# Altium PCB IM.PcbDoc
Units mil, origin at the board's own origin, x right, y up, seen from the top; angles counter-clockwise.
Board outline 2530 x 1530 mil, 4 copper layers (Top Layer, Signal Layer1, GND Layer, Bottom Layer), stack 30.634 mil thick; 48 components, 97 nets, 336 pads, 98 vias.
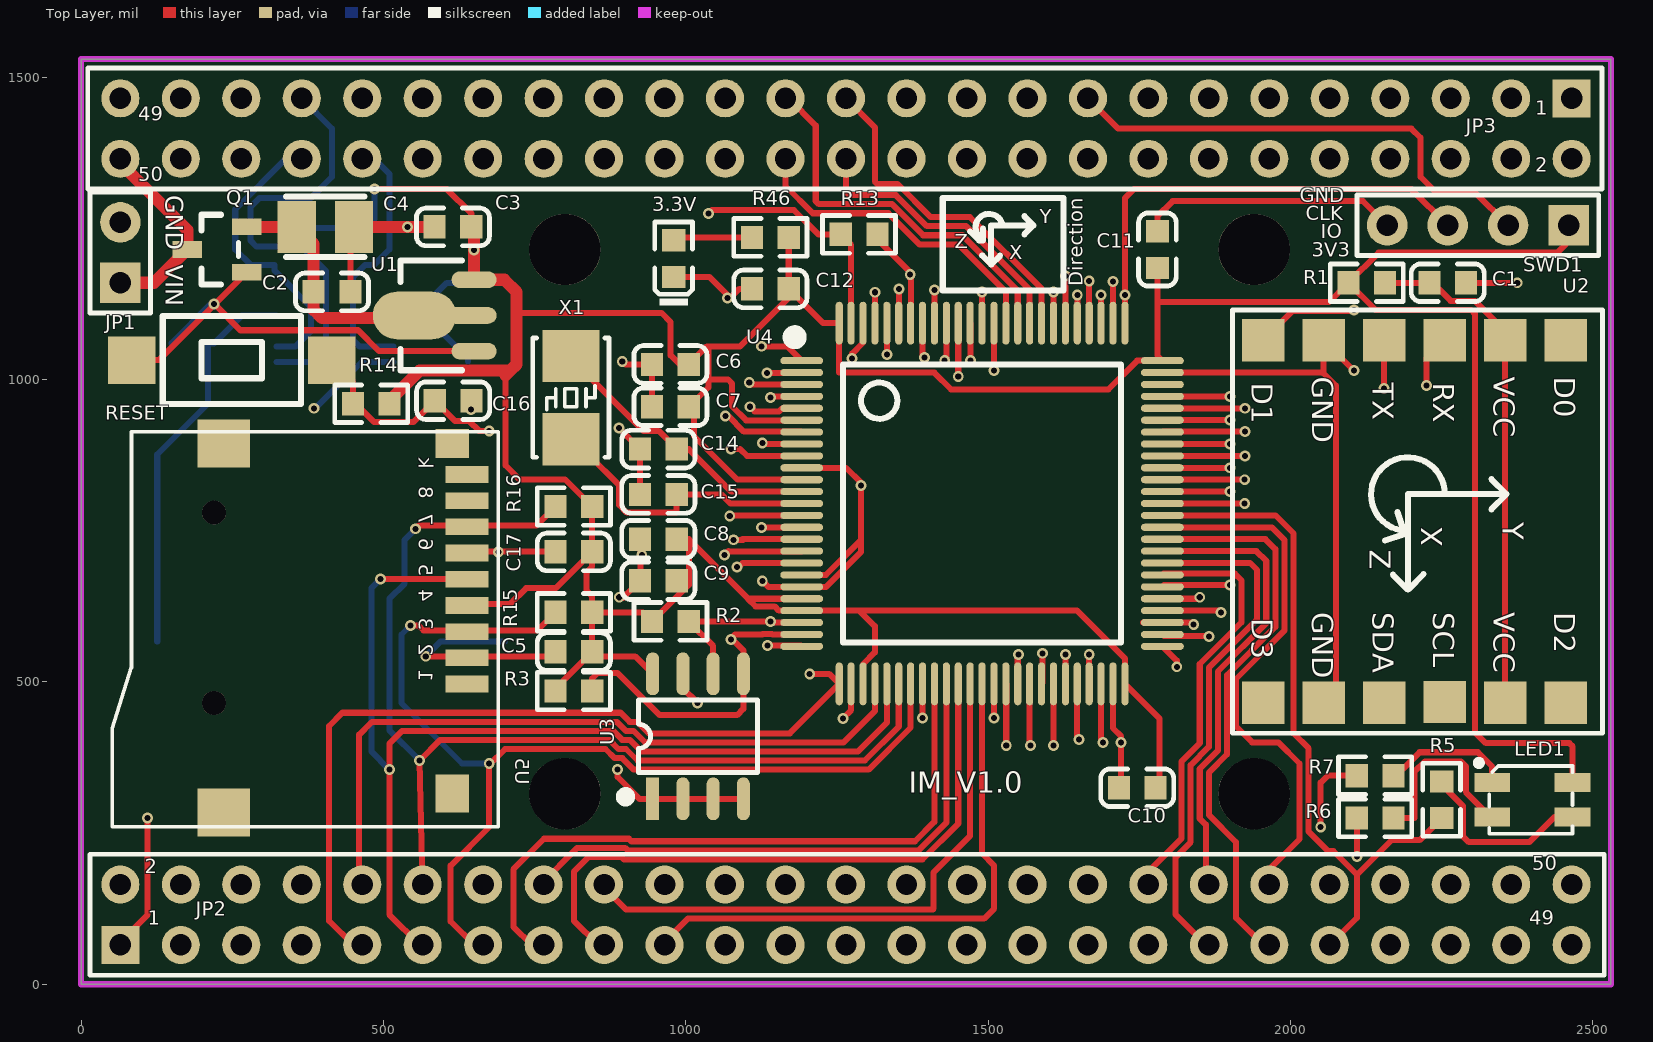
[diagram p0: Top Layer view]
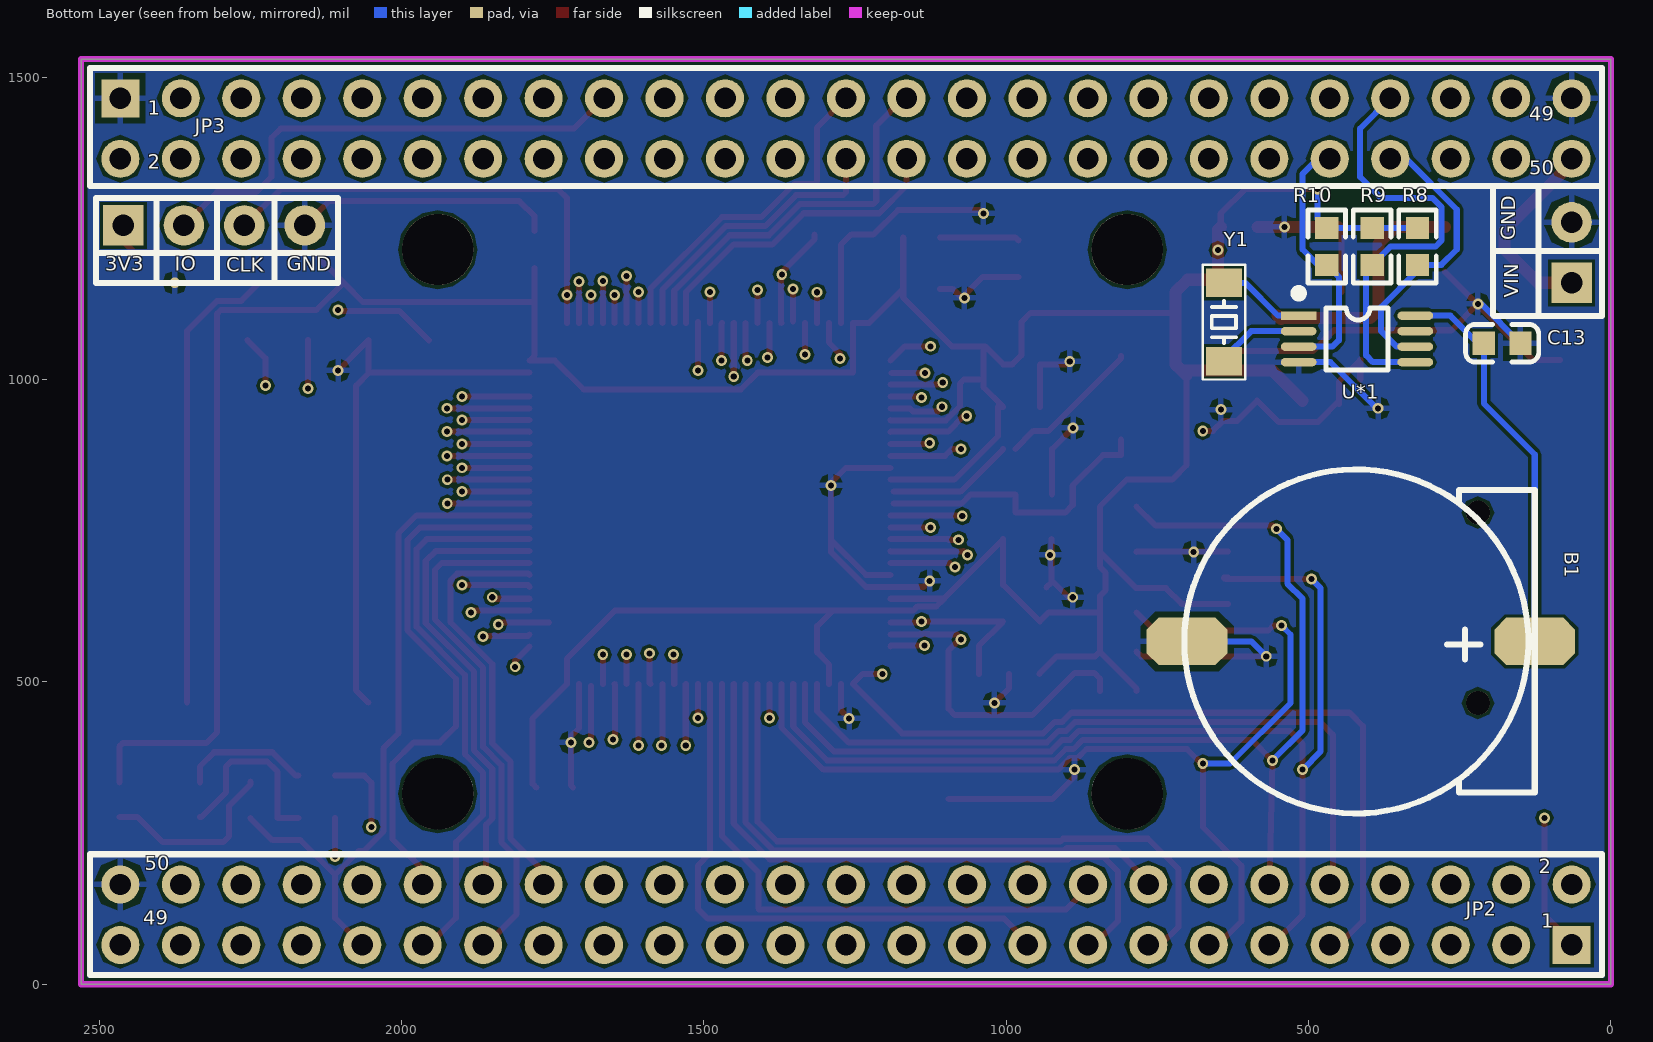
[diagram p1: Bottom Layer view, seen from below]
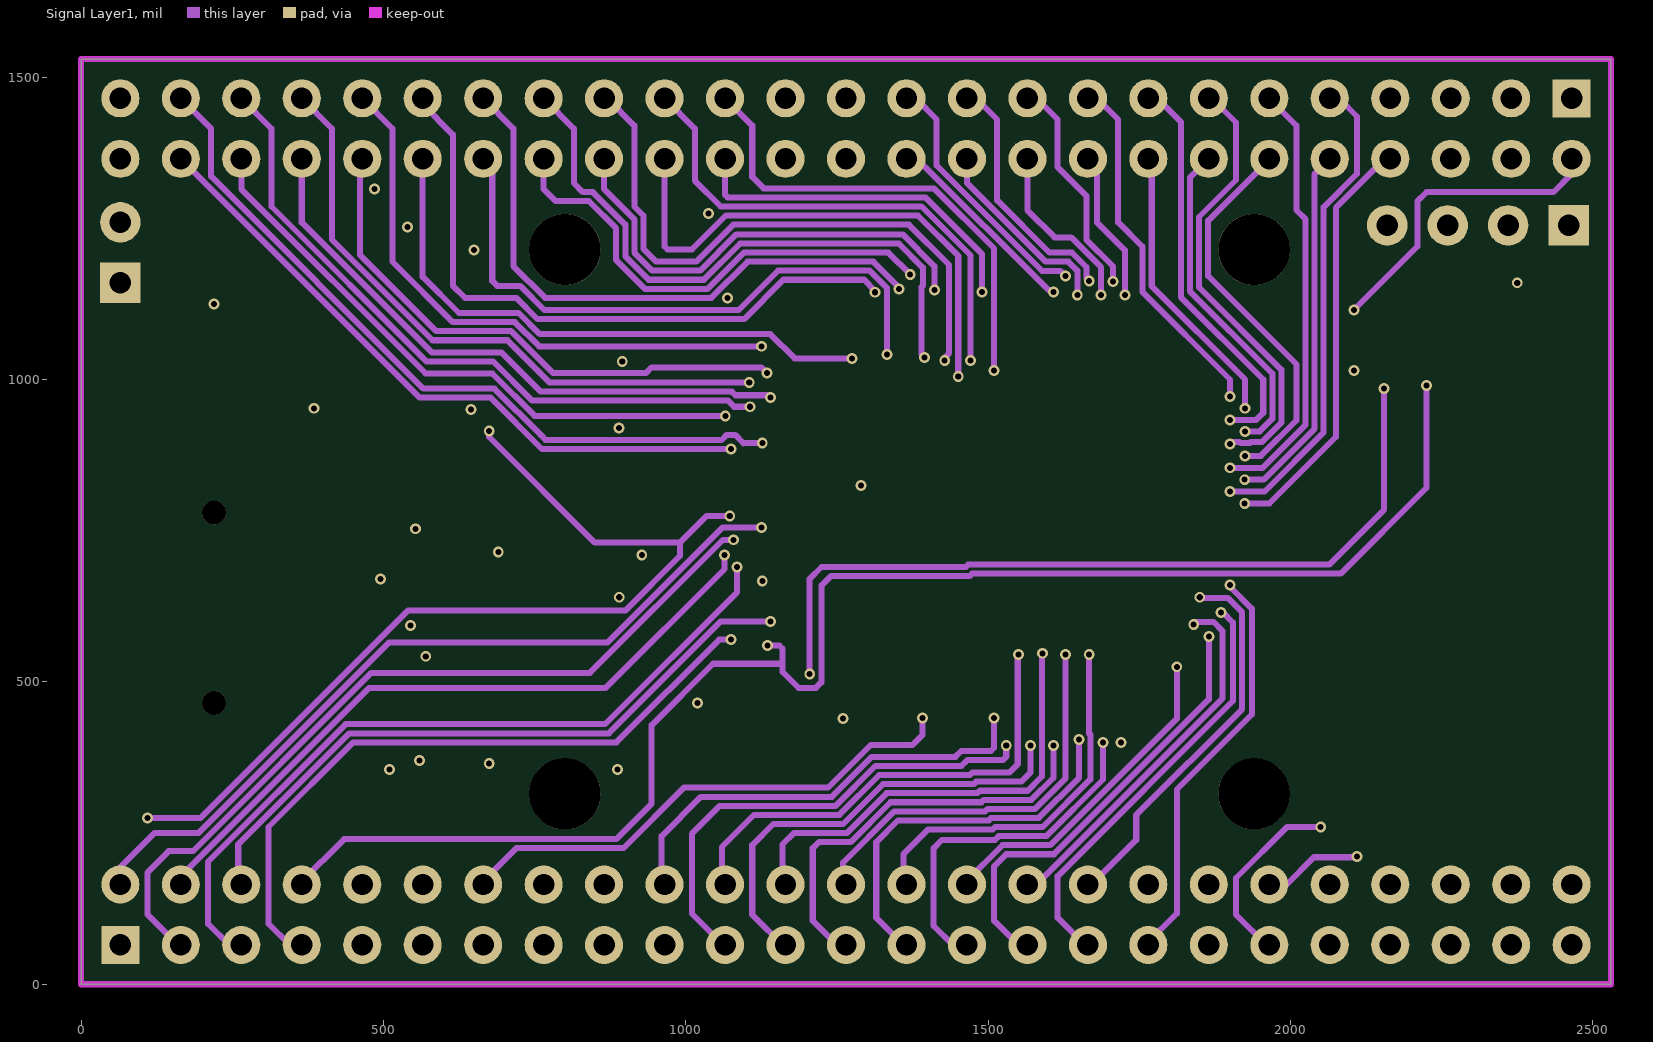
[diagram p2: Signal Layer1]
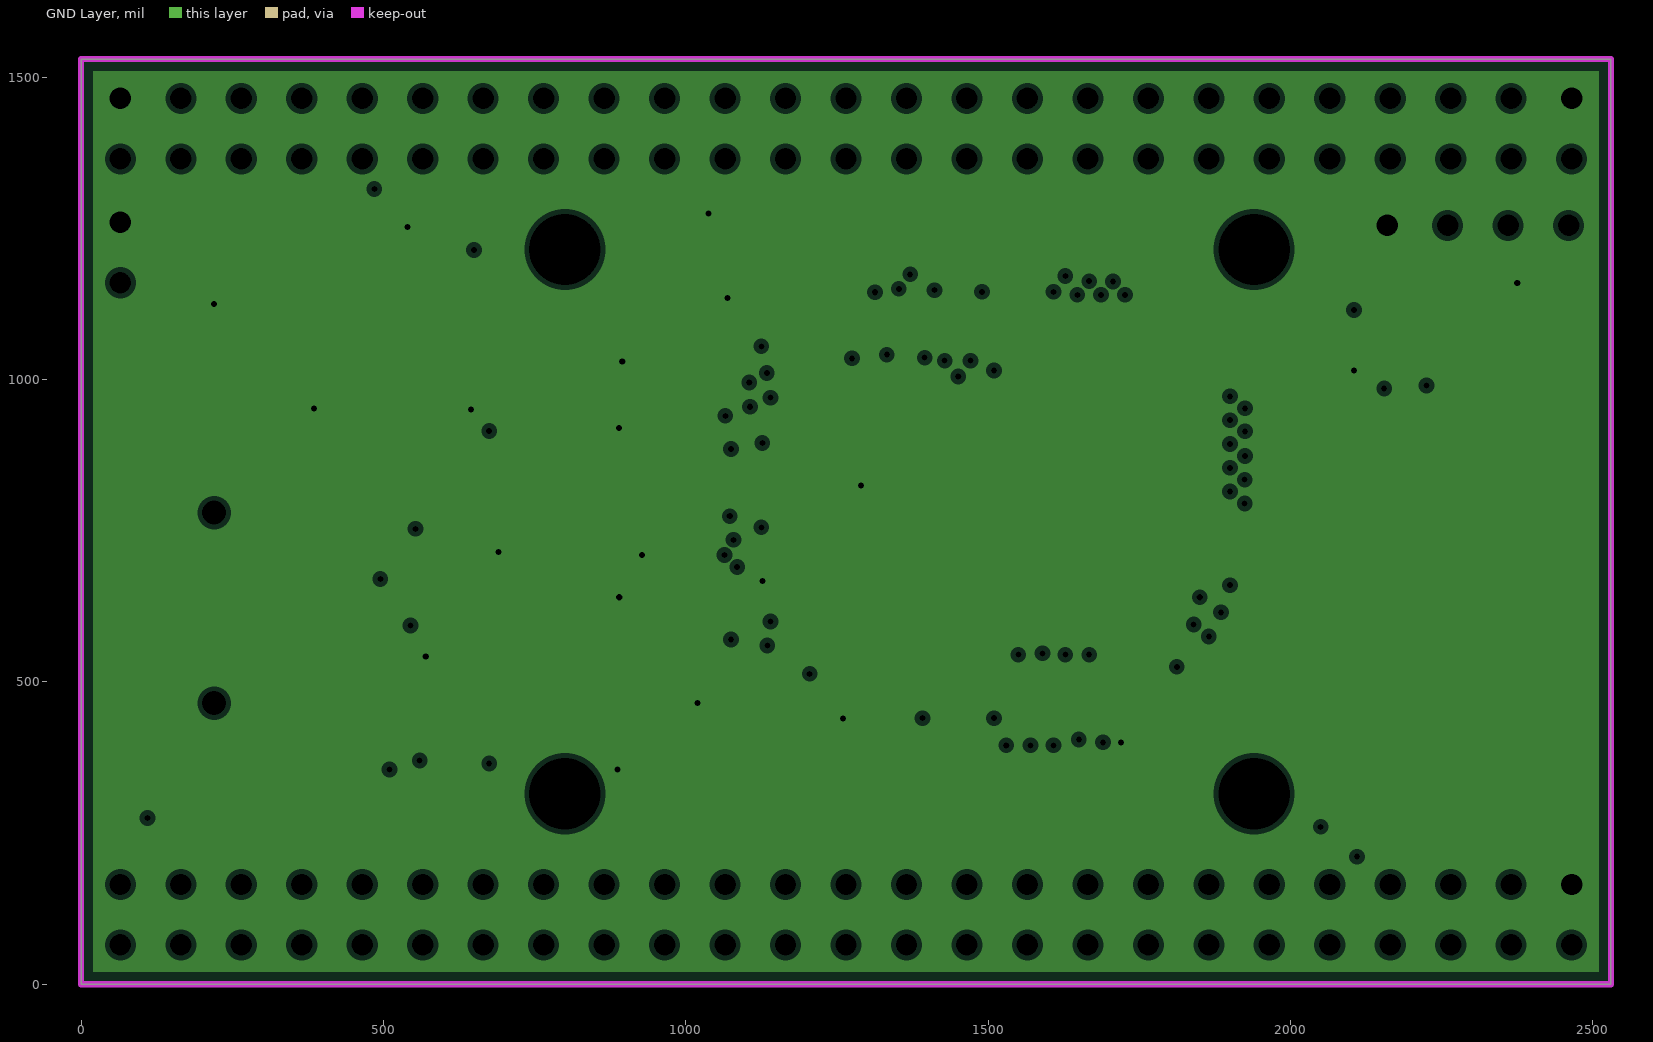
[diagram p3: GND Layer, clearances drawn from the general rule]

## Layer stack, top to bottom
Top Solder: solder mask 0.4, Solder Resist, Dk 3.5
Top Layer: signal copper 1.4
Dielectric 1: core 10, FR-4, Dk 4.2
Signal Layer1: signal copper 1.417
Dielectric 6: prepreg 5, Dk 4.2
GND Layer: plane copper 1.417, net GND
Dielectric 4: core 10, Dk 4.2
Bottom Layer: signal copper 1.4
Bottom Solder: solder mask 0.4, Solder Resist, Dk 3.5

## Board outline
0,0 0,110 0,1530 2530,1530 2530,0
cut-out: 5635,1990

## Design rules (kind name [scope] priority, off if disabled: settings)
Clearance [All] p1: gap=5 ignorepadtopadclearanceinfootprint=FALSE
ComponentClearance [All] p1: gap=0 collisioncheckmode=3 verticalgap=0 showdistances=FALSE
DiffPairsRouting [All] p1: maxlimit=10 minlimit=10 mostfreqgap=10 toplayer_minwidth=10 toplayer_maxwidth=15 toplayer_prefwidth=15 midlayer1_minwidth=10 midlayer1_maxwidth=15 midlayer1_prefwidth=15 bottomlayer_minwidth=10 bottomlayer_maxwidth=15 bottomlayer_prefwidth=15 maxuncoupledlength=500
HoleSize [All] p1: absolutevalues=TRUE maxlimit=200 minlimit=1 maxpercent=80.000 minpercent=20.000
MinimumSolderMaskSliver [All] p1: minsoldermaskwidth=2
PlaneClearance [All] p1: clearance=8
PlaneConnect [All] p1: planeconnectstyle=Direct reliefexpansion=20 reliefentries=4 reliefconductorwidth=10 reliefairgap=10
PolygonConnect [All] p1: connectstyle=Relief reliefconductorwidth=10 reliefentries=4 polygonreliefangle="90 Angle" airgapwidth=10
RoutingVias [All] p1: holewidth=28 width=50 viastyle="Through Hole" minholewidth=10 minwidth=15 maxholewidth=28 maxwidth=50
SilkToSilkClearance [All] p1: silktosilkclearance=0
SilkToSolderMaskClearance [IsPad] p1: minsilkscreentomaskgap=0 clearancetoexposedcopper=TRUE
SolderMaskExpansion [All] p1: expansion=4
Width [All] p1: maxlimit=50 minlimit=3.5 preferedwidth=10
22 further rules are at their usual default settings.

## Components (designator, comment, footprint, x,y, rotation, side; value= is the part's Value field where it differs from the comment)
3.3V "绿灯 0603" 0603_LED 980,1200 r90 top
B1 "BAT" BAT 430,570 r270 bottom
C1 "0.1u" 0603_C 2260,1160 r0 top
C2 "0.1u" 0603_C 415,1145 r180 top
C3 "0.1u" 0603_C 615,1252.4 r0 top
C4 "10u/25v" SMD-3225-2P 395,1250.32 r0 top
C5 "0.1u" 0603_C 815,550 r0 top
C6 "0.1u" 0603_C 974.68,1025 r0 top
C7 "0.1u" 0603_C 974.68,955 r0 top
C8 "0.1u" 0603_C 954.68,735.94 r0 top
C9 "0.1u" 0603_C 954.68,667.16 r0 top
C10 "0.1u" 0603_C 1746.59,325 r0 top
C11 "0.1u" 0603_C 1780,1215 r270 top
C12 "0.1u" 0603_C 1140,1150 r180 top
C13 "0.1u" 0603_C 180,1060 r180 bottom
C14 "22P" 0603_C 954.68,885 r180 top
C15 "22P" 0603_C 954.68,810 r180 top
C16 "100nF (104) 10% 50V" 0603_C 615.32,965 r180 top
C17 "0.1uF" 0603_C 815,715 r180 top
JP1 "HDR-1X2" HDR2.54-LI-2P 65,1210 r90 top
JP2 "Header 2X25" HDR2.54-LI-2X25P 1173,109 r0 top
JP3 "Header 2X25" HDR2.54-LI-2X25P 1357,1421 r180 top
LED1 "67-23/R6GHBHC-B05/2T" "LED 3528-4Pin" 2400,305 r0 top
Q1 "AO3401A P道沟" SOT-23(SOT-23-3) 225,1215 r0 top
R1 "0Ω (0R0) ±1%" 0603_R 2126.1,1160 r180 top
R2 "4.7K" 0603_R 974.68,600 r0 top
R3 "4.7K" 0603_R 815,485 r0 top
R5 "1KΩ" 0603_R 2250,305 r90 top
R6 "1KΩ" 0603_R 2140,275 r0 top
R7 "1KΩ" 0603_R 2140,345 r0 top
R8 "4.7K" 0603_R 320,1220 r90 bottom
R9 "4.7K" 0603_R 395,1220 r90 bottom
R10 "4.7K" 0603_R 470,1220 r90 bottom
R13 "10KΩ (1002) ±1%" 0603_R 1286.57,1240 r180 top
R14 "10KΩ (1002) ±1%" 0603_R 480,960 r0 top
R15 "4.7K" 0603_R 815,615 r180 top
R16 "4.7K" 0603_R 815,790 r180 top
R46 "1kΩ" 0603_R 1140,1235 r180 top
RESET "KEY" key-2 255,1030 r180 top
SWD1 "SWD" HDR2.54-LI-4P 2310,1255 r180 top
U1 "HT7533/ME6210A33PG" SOT-89(SOT-89-3) 650,1105.94 r0 top
U2 "JY901" JY-901 1955.37,1065.63 r270 top
U3 "AT24C02" SOP8_N 1020.32,410 r90 top value=EEPROM
U4 "STM32F103VCT6" "LQFP100 14x14_N" 1490,795 r270 top
U5 "SDCard" TF-Micro 220,622.52 r270 top
U*1 "Timer" MSOP8_M 420,1067.17 r270 bottom
X1 "8.000M" "OSC 5032-2P" 810,970 r90 top
Y1 "无源晶振" "OSC 3215-2P" 640,1095 r90 bottom value=32.768k

## Footprints (in the part's own frame and the unit in brackets; to place one, negate y for a bottom-side part, rotate by r counter-clockwise, add the part's x,y. Pads: shape width x height; smd on the part's side, far side on the other; paste and mask are expansions set on the pad)
0603_C [mm]
  rect 0.93x0.98 smd: 1(-0.77,0) 2(0.77,0)
  silkscreen extent -1.53,-0.79 1.54,0.79, body extent -0.8,-0.41 0.8,0.41, height 0.81
0603_LED [mm]
  rect 0.93x0.98 smd: A(0.77,0) K(-0.77,0)
  silkscreen extent -1.98,-0.79 1.54,0.79, body extent -0.8,-0.4 0.8,0.4, height 0.47
0603_R [mm]
  rect 0.93x0.98 smd: 1(-0.77,0) 2(0.77,0)
  silkscreen extent -1.53,-0.79 1.54,0.79, body extent -0.85,-0.4 0.85,0.4, height 0.56
BAT [mil] "CR1220"
  oct 78.74x133.86 smd: 1(3,304) 2(3,-271)
  silkscreen extent -282,-276 288,304
HDR2.54-LI-2P [mm] "排针，2脚"
  rect 1.7x1.7 hole 0.9: 1(-1.27,0)
  round 1.7 hole 0.9: 2(1.27,0)
  silkscreen extent -2.54,-1.27 2.54,1.27, body extent -2.54,-1.27 2.54,1.27, height 8.5
HDR2.54-LI-2X25P [mm]
  rect 1.6x1.6 hole 0.9: 1(-28.143,-1.118)
  round 1.6 hole 0.9: 2(-28.143,1.422) 3(-25.603,-1.118) 4(-25.603,1.422) 5(-23.063,-1.118) 6(-23.063,1.422) 7(-20.523,-1.118) 8(-20.523,1.422) 9(-17.983,-1.118) 10(-17.983,1.422) 11(-15.443,-1.118) 12(-15.443,1.422) 13(-12.903,-1.118) 14(-12.903,1.422) 15(-10.363,-1.118) 16(-10.363,1.422) 17(-7.823,-1.118) 18(-7.823,1.422) 19(-5.283,-1.118) 20(-5.283,1.422) 21(-2.743,-1.118) 22(-2.743,1.422) 23(-0.203,-1.118) 24(-0.203,1.422) 25(2.337,-1.118) 26(2.337,1.422) 27(4.877,-1.118) 28(4.877,1.422) 29(7.417,-1.118) 30(7.417,1.422) 31(9.957,-1.118) 32(9.957,1.422) 33(12.497,-1.118) 34(12.497,1.422) 35(15.037,-1.118) 36(15.037,1.422) 37(17.577,-1.118) 38(17.577,1.422) 39(20.117,-1.118) 40(20.117,1.422) 41(22.657,-1.118) 42(22.657,1.422) 43(25.197,-1.118) 44(25.197,1.422) 45(27.737,-1.118) 46(27.737,1.422) 47(30.277,-1.118) 48(30.277,1.422) 49(32.817,-1.118) 50(32.817,1.422)
  silkscreen extent -29.41,-2.39 34.19,2.69, body extent -29.41,-2.39 34.09,2.69, height 8.5
HDR2.54-LI-4P [mm] "排针，4脚"
  rect 1.7x1.7 hole 0.9: 1(-3.81,0)
  round 1.7 hole 0.9: 2(-1.27,0) 3(1.27,0) 4(3.81,0)
  silkscreen extent -5.08,-1.27 5.08,1.27, body extent -5.08,-1.27 5.08,1.27, height 8.5
JY-901 [mil]
  rect 70x70 smd: 1(0.63,499.63) 2(0.63,399.63) 3(0.63,299.63) 4(0.63,199.63) 5(0.63,99.63) 6(0.63,-0.37) 7(600,499.63) 8(600,399.63) 9(599,299.63) 10(600,199.63) 11(600,99.63) 12(600,-0.37)
  silkscreen extent -49,-51 651,561
key-2 [mm]
  rect 2x2 smd: 1(-4.055,-0.055) 2(4.345,-0.055)
  silkscreen extent -2.75,-1.91 3.05,1.79
"LED 3528-4Pin" [mm] "4脚，3528LED"
  rect 1.5x0.8 smd: 1(-1.689,0.725) 2(-1.689,-0.725) 3(1.689,-0.725) 4(1.689,0.725)
  silkscreen extent -2.37,-1.42 1.69,1.68, body extent -1.75,-1.4 1.75,1.4, height 1.95
"LQFP100 14x14_N" [mm] "100脚，体宽14x14mm，脚距0.5mm"
  oval 0.3x1.8 smd: 1(-6,-7.575) 2(-5.5,-7.575) 3(-5,-7.575) 4(-4.5,-7.575) 5(-4,-7.575) 6(-3.5,-7.575) 7(-3,-7.575) 8(-2.5,-7.575) 9(-2,-7.575) 10(-1.5,-7.575) 11(-1,-7.575) 12(-0.5,-7.575) 13(0,-7.575) 14(0.5,-7.575) 15(1,-7.575) 16(1.5,-7.575) 17(2,-7.575) 18(2.5,-7.575) 19(3,-7.575) 20(3.5,-7.575) 21(4,-7.575) 22(4.5,-7.575) 23(5,-7.575) 24(5.5,-7.575) 25(6,-7.575) 51(6,7.575) 52(5.5,7.575) 53(5,7.575) 54(4.5,7.575) 55(4,7.575) 56(3.5,7.575) 57(3,7.575) 58(2.5,7.575) 59(2,7.575) 60(1.5,7.575) 61(1,7.575) 62(0.5,7.575) 63(0,7.575) 64(-0.5,7.575) 65(-1,7.575) 66(-1.5,7.575) 67(-2,7.575) 68(-2.5,7.575) 69(-3,7.575) 70(-3.5,7.575) 71(-4,7.575) 72(-4.5,7.575) 73(-5,7.575) 74(-5.5,7.575) 75(-6,7.575)
  oval 1.8x0.3 smd: 26(7.576,-6) 27(7.576,-5.5) 28(7.576,-5) 29(7.576,-4.5) 30(7.576,-4) 31(7.576,-3.5) 32(7.576,-3) 33(7.576,-2.5) 34(7.576,-2) 35(7.576,-1.5) 36(7.576,-1) 37(7.576,-0.5) 38(7.576,0) 39(7.576,0.5) 40(7.576,1) 41(7.576,1.5) 42(7.576,2) 43(7.576,2.5) 44(7.576,3) 45(7.576,3.5) 46(7.576,4) 47(7.576,4.5) 48(7.576,5) 49(7.576,5.5) 50(7.576,6) 76(-7.575,6) 77(-7.575,5.5) 78(-7.575,5) 79(-7.575,4.5) 80(-7.575,4) 81(-7.575,3.5) 82(-7.575,3) 83(-7.575,2.5) 84(-7.575,2) 85(-7.575,1.5) 86(-7.575,1) 87(-7.575,0.5) 88(-7.575,0) 89(-7.575,-0.5) 90(-7.575,-1) 91(-7.575,-1.5) 92(-7.575,-2) 93(-7.575,-2.5) 94(-7.575,-3) 95(-7.575,-3.5) 96(-7.575,-4) 97(-7.575,-4.5) 98(-7.575,-5) 99(-7.575,-5.5) 100(-7.575,-6)
  silkscreen extent -7.23,-8.12 5.84,5.84, body extent -8,-8 8,8, height 1.45
MSOP8_M [mm] "塑封体长3mm，宽3mm，脚距0.65"
  rect 0.35x1.5 smd: 1(-0.975,-2.45)
  oval 0.35x1.5 smd: 2(-0.325,-2.45) 3(0.325,-2.45) 4(0.975,-2.45) 5(0.975,2.45) 6(0.325,2.45) 7(-0.325,2.45) 8(-0.975,2.45)
  silkscreen extent -2.07,-2.6 1.3,1.3, body extent -1.5,-2.45 1.5,2.45, height 0.95
"OSC 3215-2P" [mm] "3.2*1.5*0.6mm(长宽高)"
  rect 1.2x1.5 smd: 1(-1.65,0) 2(1.65,0)
  silkscreen extent -2.41,-0.89 2.41,0.89, body extent -1.6,-0.75 1.6,0.75, height 0.61
"OSC 5032-2P" [mm] "5mm*3.2mm*0.8mm(长*宽*高)"
  rect 2.2x2.4 smd: 1(-1.75,0) 2(1.75,0)
  silkscreen extent -2.5,-1.6 2.5,1.6, body extent -2.5,-1.6 2.5,1.6, height 0.86
SMD-3225-2P [mm]
  rect 1.6x2.2 smd: 1(-0.971,0.051) 2(1.429,0.051)
  silkscreen extent -1.42,-1.22 1.88,1.32
SOP8_N [mm] "5*6*1.8mm（长宽高）"
  rect 1.8x0.55 smd: 1(-2.625,1.905)
  oval 1.8x0.55 smd: 2(-2.625,0.635) 3(-2.625,-0.635) 4(-2.625,-1.905) 5(2.625,-1.905) 6(2.625,-0.635) 7(2.625,0.635) 8(2.625,1.905)
  silkscreen extent -2.69,-2.5 1.52,3.2, body extent -3,-2.5 3,2.5, height 1.9
SOT-23(SOT-23-3) [mm]
  rect 1.25x0.7 smd: 1(1.25,-0.95) 2(1.25,0.95) 3(-1.25,0)
  silkscreen extent -0.65,-1.46 0.9,1.46, body extent -1.5,-1.5 1.5,1.5, height 1.3
SOT-89(SOT-89-3) [mm]
  oval 1.9x0.7 smd: 1(0,-1.5) 3(0,1.5)
  oval 3.5x2 smd: 2(-2.5,0)
  oval 2.1x0.7 smd: 2(-0.1,0)
  silkscreen extent -3.1,-2.3 -0.5,2.3, body extent -3.75,-2.25 0.55,2.25, height 1.51
TF-Micro [mm]
  round 1 hole 1 unplated: 0(-4,0) 0(4,0)
  rect 0.7x1.8 smd: 1(3.2,10.627) 2(2.1,10.627) 3(1,10.627) 4(-0.1,10.627) 5(-1.2,10.627) 6(-2.3,10.627) 7(-3.4,10.627) 8(-4.5,10.627) 9(-5.6,10.627)
  rect 2.032x2.2 smd: 10(-6.9,0.4) 10(8.6,0.4)
  rect 1.2x1.4 smd: 10(-6.9,10)
  rect 1.6x1.4 smd: 10(7.8,10)
  silkscreen extent -7.4,-4.28 9.2,11.94, body extent -7.06,-3.91 8.94,11.34, height 1.85

## Part data
3.3V: library part "0603 LED", "贴片LED", Package=0603, SuppliersPartNumber=C2286, ComponentLink1Description=¹©Ó, ComponentLink1URL=http://www.szlcsc.com/product/details_2659.html, Supplier=LC
C1 C2 C3 C5 C6 C7 C8 C9 C10 C11 C12 C13 C14 C15 C17: library part CAP0805
C4: library part CAP[B]
C16: library part "0603 100nF (104) 10% 50V", "贴片电容", Package=0603, SuppliersPartNumber=C14663, ComponentLink1Description=供应, ComponentLink1URL=http://www.szlcsc.com/product/details_15331.html, Supplier=LC
JP1: library part "Header 2 Pitch2.54", "2P接插件", BOM名称=2P, 学习资源=www.oooc
JP2 JP3: library part "Header 25X2 Pitch2.54", "25*2P接插件", BOM名称=20*2P, 学习资源=www.oooc
LED1: library part LED-RGB-3528, "三基色LED", BOM名称=三, 学习资源=www.oooc
Q1: library part "AO3401A P道沟 X13A15 SOT-23", "MOS(场效应管)", Package=SOT-23, SuppliersPartNumber=C15127, ComponentLink1Description=供应, ComponentLink1URL=http://www.szlcsc.com/product/details_15801.html, Supplier=LC
R1 R46: library part "0603 0Ω (0R0) 1%", "贴片电阻", Package=0603, SuppliersPartNumber=C21189, ComponentLink1Description=供应, ComponentLink1URL=http://www.szlcsc.com/product/details_21903.html, Supplier=LC
R2 R3 R8 R9 R10 R15 R16: library part RES0805
R5 R6 R7: library part "0603 2.2KΩ (2201) 1%", "贴片电阻", Package=0603, SuppliersPartNumber=C4190, ComponentLink1Description=供应, ComponentLink1URL=http://www.szlcsc.com/product/details_4597.html, Supplier=LC
R13 R14: library part "0603 10KΩ (1002) 1%", "贴片电阻", Package=0603, SuppliersPartNumber=C25804, ComponentLink1Description=供应, ComponentLink1URL=http://www.szlcsc.com/product/details_26547.html, Supplier=LC
RESET: library part KEY_2, "Switch", LatestRevisionDate=17-Jul-2002, LatestRevisionNote="Re-released for DXP Platform.", PackageReference=SPST-2, Published=24-Mar-1999, Publisher="Altium Limited"
U1: library part "SOT-89 HT7533/ME6210A33PG", "低压差线性稳压(LDO)", BOM_LCSC Assembly=Yes, BOM_Manufacturer=HOLTEK, BOM_Manufacturer Part=HT7533, BOM_Supplier=LCSC, BOM_Supplier Part=C89203, SMT Type=Extend, spicePre=U
U2: library part JY61P/JY901B, "姿态模块"
U3: "8 lead ssop,2k/2048bits", Manufacturer #1=ATMEL, Descrpit=2k/2048bits, Manufacturer #1 PN=AT24C02
U4: library part STM32F100VET6, "STM32 ARM-based 32-bit MCU Value Line with 512 kB Flash, 32 kB Internal RAM, -40 to +85癈 Temperature, 100-Pin LQFP, Tray", ComponentLink1Description="Manufacturer URL", ComponentLink1URL=http://www.st.com/, ComponentLink2Description="STM32F100 Datasheet", ComponentLink2URL=http://www.st.com/internet/com/TECHNICAL_RESOURCES/TECHNICAL_LITERATURE/DATASHEET/CD00212417.pdf, ComponentLink3Description="STM32 Family Web Page", ComponentLink3URL=www.st.com/stm32, DatasheetVersion="rev5.0, Apr-2011", PackageDescription="100-Pin Low-Profile Quad Flat Pack, 14 x 14 mm Body, 0.5 mm Pitch (LQFP100)", PackageReference=LQFP100, PackageVersion="rev13, Apr-2011"
X1: library part XTALSOP
Y1: library part XTAL, "Crystal Oscillator", LatestRevisionDate=17-Jul-2002, LatestRevisionNote="Re-released for DXP Platform.", PackageReference=R38, Published=8-Jun-2000, Publisher="Altium Limited"

## Free pads (board coordinates)
  round 118.11 hole 118.11: 1(800,1215) 2(1940,1215) 3(800,315) 4(1940,315)

## Via types
v1: diameter 18, hole 10, Top Layer to Bottom Layer, 98 vias
